# Altium PCB PicoHAL.pcbdoc (part 5 of 5)
Units mm, origin at the board's own origin, x right, y up, seen from the top; angles counter-clockwise.
Board outline 53.34 x 73.15 mm, 4 copper layers (Top Layer, GND, PWR, Bottom Layer), stack 1.807 mm thick; 173 components, 120 nets, 5460 pads, 269 vias.
Unrouted connection lines stored in the file: 1.
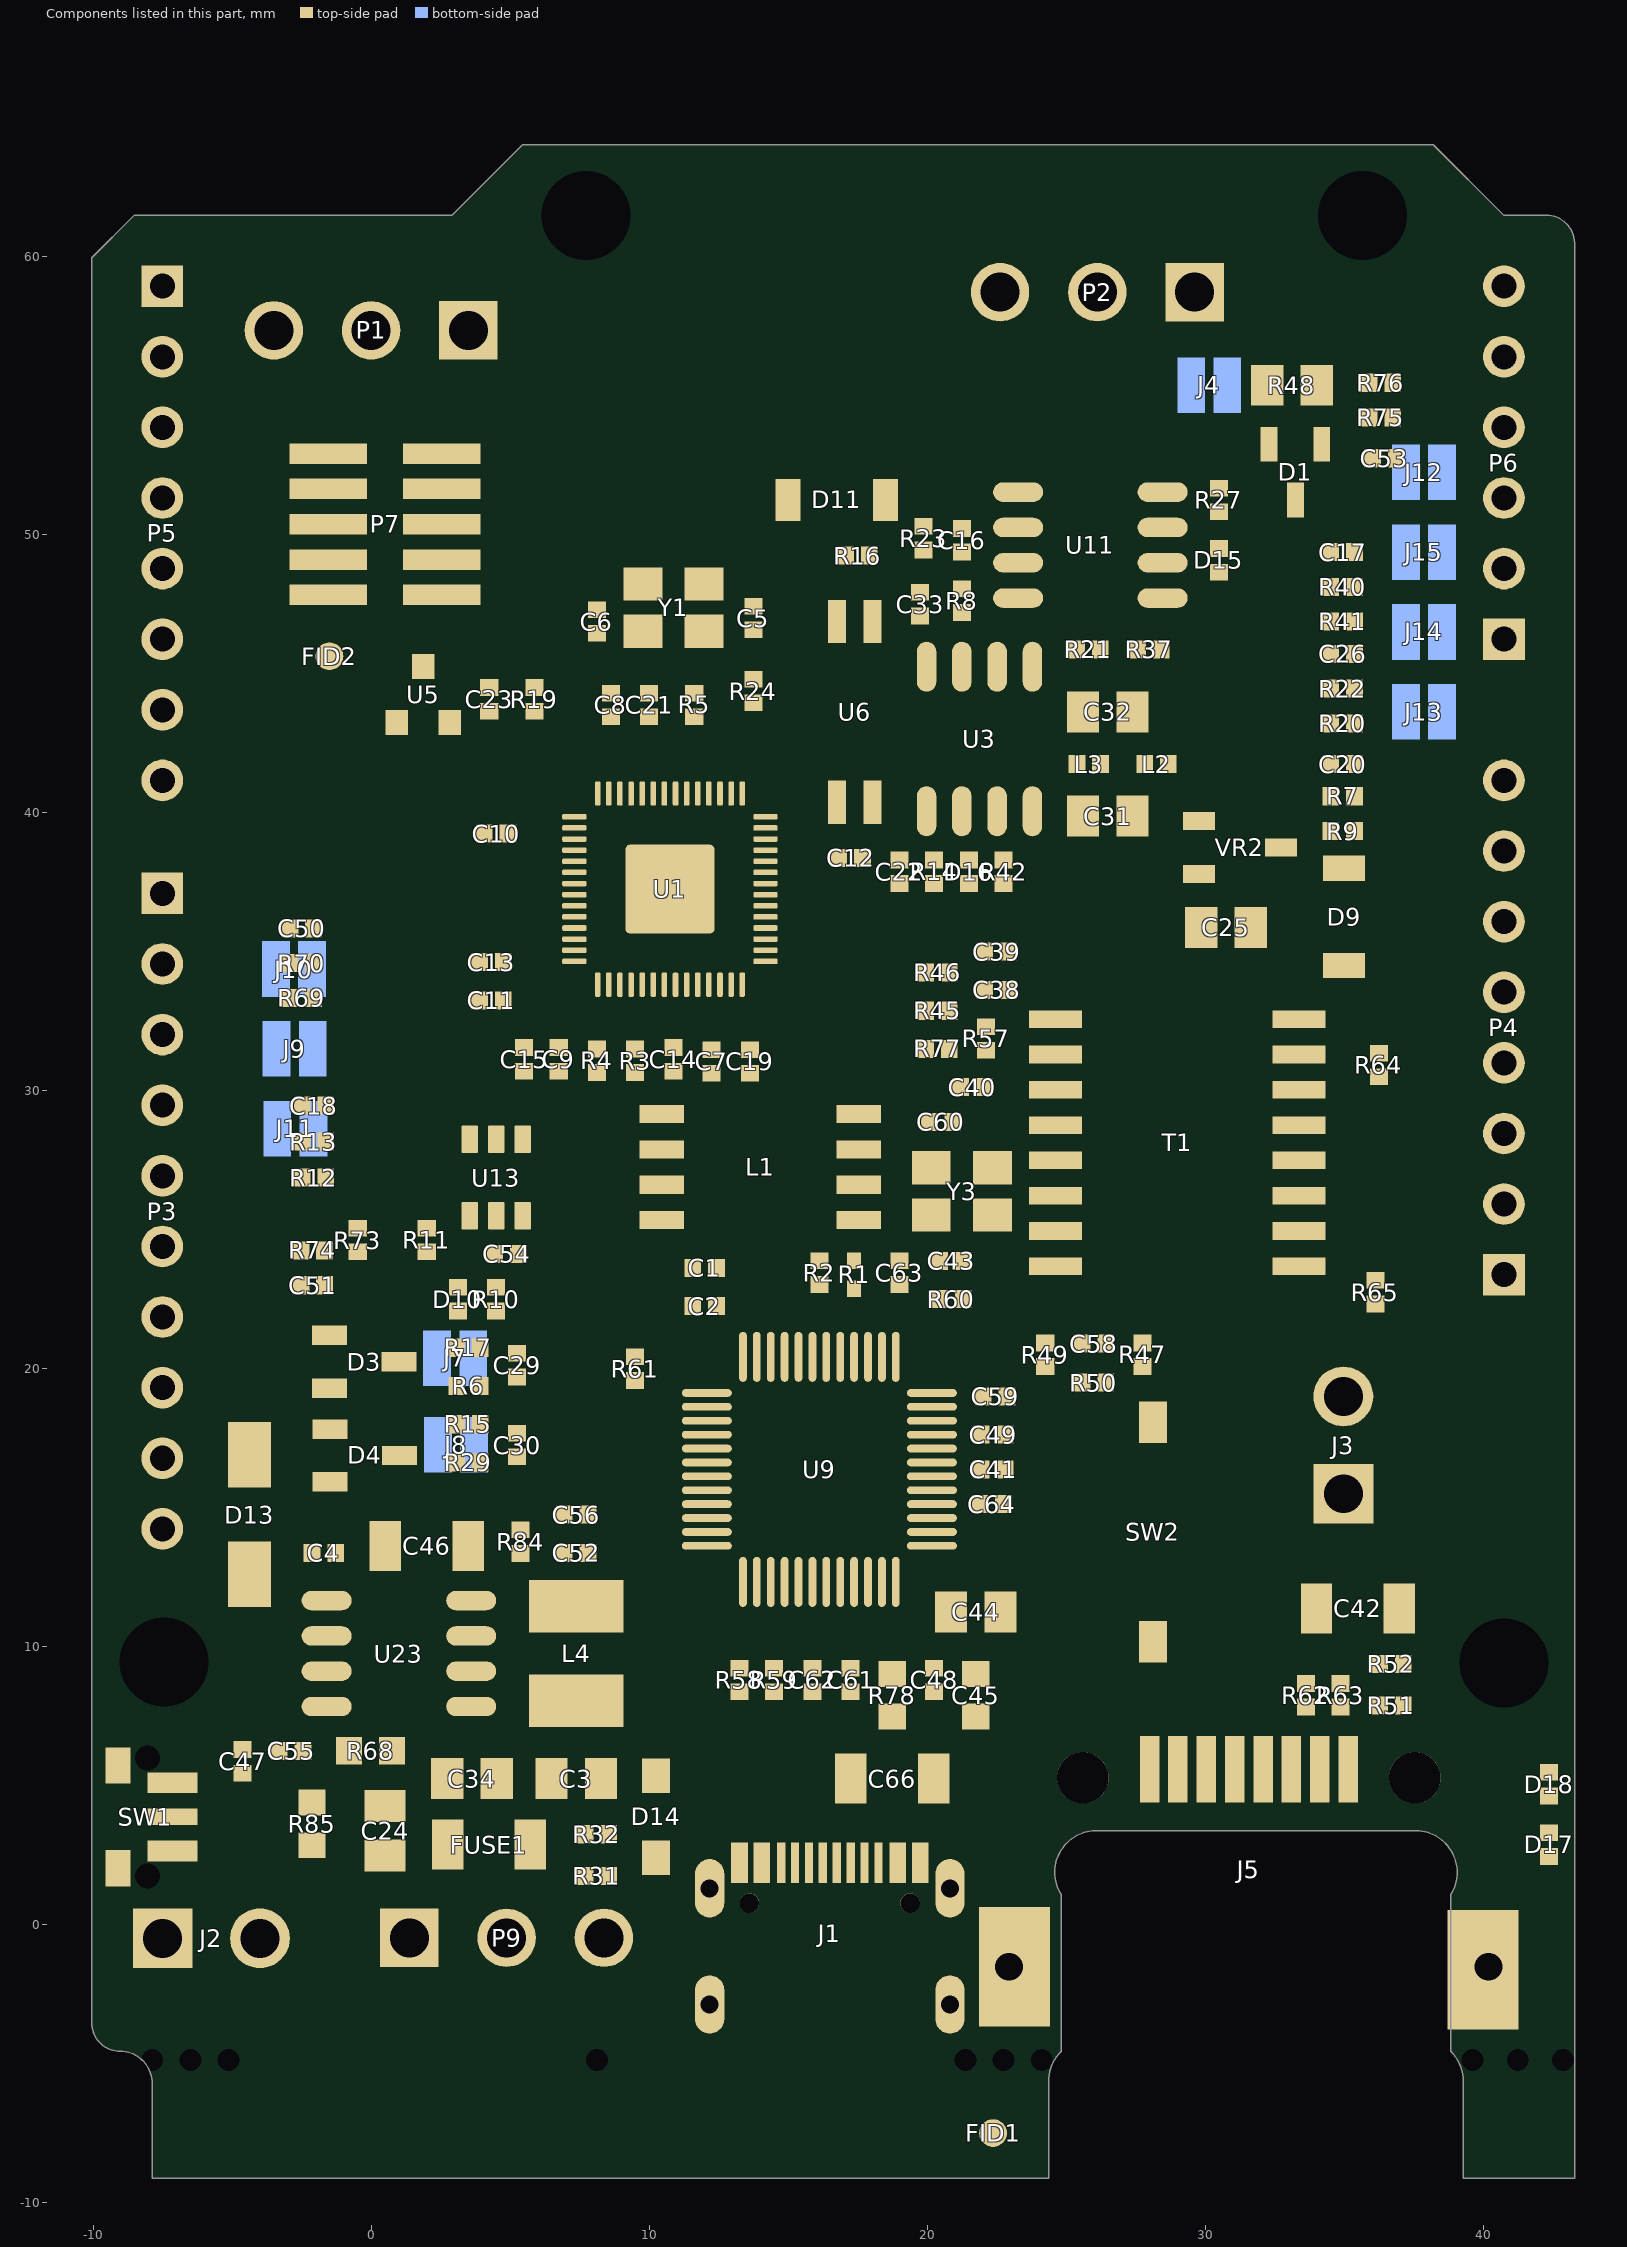
[diagram p7: the components of this part, seen from the top]

## Silkscreen, mask and mechanical layers (free items; w line width, h text height)
Top Overlay:
  drawing of 1278 lines, arcs and shapes, not listed
  text "13" at -9.858,59.625 h1.52 r270
  text "29" at 36.999,58.271 h2.03
  text "12" at -9.875,57.125 h1.52 r270
  text "Expatria" at 8.506,56.304 h1.52
  text "28" at 37.124,56.146 h2.03
  text "GD | B | A" at 21.875,55.633 h2.03
  text "GD | B | A" at -2.242,54.403 h2.03
  text "Technologies" at 11.44,54.179 h1.02
  text "RS485" at 23.125,53.646 h2.03
  text "16" at -5.875,53.271 h2.03
  text "7" at 38.25,53.125 h2.03
  text "17" at -5.75,50.625 h2.03
  text "11" at 37.625,50.625 h2.03
  text "18" at -5.75,48.146 h2.03
  text "6" at 38.25,48.021 h2.03
  text "20" at -5.876,45.646 h2.03
  text "14" at 37.375,45.5 h2.03
  text "21" at -5.876,43 h2.03
  text "DC+" at -1.48,41.5 h3.05 r270
  text "DC-" at 1.304,41.375 h3.05 r270
  text "22" at -5.876,40.5 h2.03
  text "Vin" at 36.876,40.5 h2.03
  text "GD" at 36.725,37.942 h2.03
  text "24" at -6.001,36.5 h2.03
  text "24V / MAX" at -1.125,36 h3.05 r270
  text "GD" at 36.725,35.362 h2.03
  text "15" at -6,33.896 h2.03
  text "5V" at 37.125,32.805 h2.03
  text "10" at -6,31.396 h2.03
  text "3V" at 37.125,30.243 h2.03
  text "5" at -5.875,28.771 h2.03
  text "RST" at 35.625,27.771 h2.03
  text "19" at -5.875,26.271 h2.03
  text "GND" at 42.271,25.875 h2.03 r270
  text "3V" at 37,25.273 h2.03
  text "23" at -6.001,23.898 h2.03
  text "NC" at 36.842,22.521 h2.03
  text "GD" at -6,21.396 h2.03
  text "3V" at -6.033,19.023 h2.03
  text "GND" at 29.625,18.521 h2.03
  text "12" at -9.875,17.5 h1.52 r270
  text "BOOT" at 30.271,15.875 h2.03 r270
  text "13" at -9.858,14.5 h1.52 r270
  text "PWM" at 39,11.375 h2.03
  text "VIN+ / PWM / GND" at 9.375,10.125 h1.52 r270
  text "RUN" at -9.5,6.521 h2.03
  text "DC+" at -5.625,4.125 h1.78 r270
  text "DC-" at -4.335,4.125 h1.78 r270
Bottom Overlay:
  drawing of 1945 lines, arcs and shapes, not listed
  text "RS485 Termination" at 28.37,55.086 h1.27
  text "GP7" at 36.054,51.961 h1.27
  text "GP11" at 36.054,49.06 h1.27
  text "GP6" at 36.054,46.31 h1.27
  text "GP14" at 36.054,43.31 h1.27
  text "Expatria" at 21.194,42.385 h1.52
  text "Technologies" at 18.26,40.26 h1.02
  text "GP15" at 1.625,34.013 h1.27
  text "GP10" at 1.625,31.138 h1.27
  text "Licensed under CERN-OHL-S v2" at 23,30.263 h1.27
  text "Pico-HAL Controller" at 23,28.625 h1.52
  text "GP5" at 0.875,28.138 h1.27
  text "PCB Revision '.VarRevNo'" at 23,27.125 h1.52
  text "GP29" at 1.304,19.711 h1.27
  text "GP28" at 1.304,16.81 h1.27
  text "24V MAX" at 6.25,11.625 h3.05
  text "LED_V+" at 9.38,1.38 h2.03 r315
  text "DC-" at -4.966,1.125 h3.05 r270
  text "LED_V-" at 2.005,1.13 h2.03 r315
  text "DC+" at -8.375,1 h3.05 r270
  text "NEOPIXEL" at 6.14,0.765 h2.03 r315
Bottom Solder:
  region: -5.674,-3.176 -5.705,-3.776 -5.582,-3.776 -5.613,-3.187 cw(c-5.544,-3.187) -5.556,-3.12 cw(c-5.55,-3.273) -5.537,-3.12 -4.951,-3.223 -5.03,-3.005 cw(c-4.949,-2.983) -5.033,-2.99 cw(c-4.989,-2.99) -5.016,-2.955 -4.375,-2.436 -4.519,-2.368 cw(c-4.5,-2.328) -4.545,-2.328 cw(c-4.5,-2.328) -4.543,-2.314 -4.416,-1.924 -4.785,-2.003 cw(c-4.791,-1.952) -4.835,-1.977 -4.907,-1.808 -5.195,-2.118 cw(c-5.227,-2.087) -5.227,-2.132 cw(c-5.226,-2.086) -5.271,-2.093 cw(c-4.926,-2.097) -5.271,-2.079 -5.132,-1.362 -5.355,-1.49 cw(c-5.377,-1.452) -5.377,-1.497 cw(c-5.377,-1.452) -5.417,-1.472 -5.643,-1.027 -5.87,-1.472 cw(c-5.909,-1.452) -5.909,-1.497 cw(c-5.909,-1.452) -5.932,-1.49 -6.155,-1.362 -6.016,-2.079 cw(c-6.066,-2.082) -6.054,-2.131 cw(c-6.057,-2.081) -6.091,-2.118 -6.38,-1.808 -6.451,-1.977 cw(c-6.492,-1.959) -6.492,-2.004 -6.871,-1.924 -6.744,-2.314 cw(c-6.786,-2.328) -6.742,-2.328 cw(c-6.786,-2.328) -6.767,-2.368 -6.912,-2.436 -6.27,-2.955 cw(c-6.298,-2.99) -6.254,-2.99 cw(c-6.298,-2.99) -6.256,-3.005 -6.335,-3.223 -5.75,-3.12 cw(c-5.726,-3.4) -5.735,-3.12 cw(c-5.739,-3.184)
  text "Designed in Canada" at 10.875,-3.665 h1.78
Mechanical 6:
  lines w0.254: 38.835,1.078 38.891,1.168 38.977,1.36 39.036,1.563 39.065,1.771 39.065,1.877 39.065,2.024 39.007,2.314 38.894,2.587 38.73,2.833 38.521,3.042 38.276,3.206 38.003,3.319 37.713,3.377 25.947,3.377 25.658,3.319 25.385,3.206 25.139,3.042 24.93,2.833 24.766,2.587 24.653,2.314 24.595,2.024 24.595,1.877 24.595,1.771 24.625,1.563 24.683,1.36 24.769,1.168 24.825,1.078 24.825,-4.556 ccw(c25.912,-5.642) 24.375,-5.642 24.375,-9.125 -7.875,-9.125 -7.875,-5.715 ccw(c-9.034,-5.715) -9.034,-4.556 cw(c-9.034,-3.54) -10.05,-3.54 -10.05,59.96 -8.526,61.484 2.904,61.484 5.444,64.024 38.21,64.024 40.75,61.484 42.274,61.484 42.373,61.485 42.567,61.449 42.751,61.376 42.916,61.268 43.058,61.13 43.17,60.967 43.248,60.786 43.289,60.592 43.29,60.494 43.29,-3.54 43.29,-9.125 39.285,-9.125 39.285,-5.642 ccw(c37.749,-5.642) 38.835,-4.556 38.835,1.078 ; 38.835,1.078 38.835,1.078
Mechanical 15:
  lines w0.254: 47.57,63.007 48.204,62.372 ; 218.44,155.746 218.44,158.286 218.44,158.286